# Altium PCB Main_conection.PcbDoc (part 2 of 2) (continued)
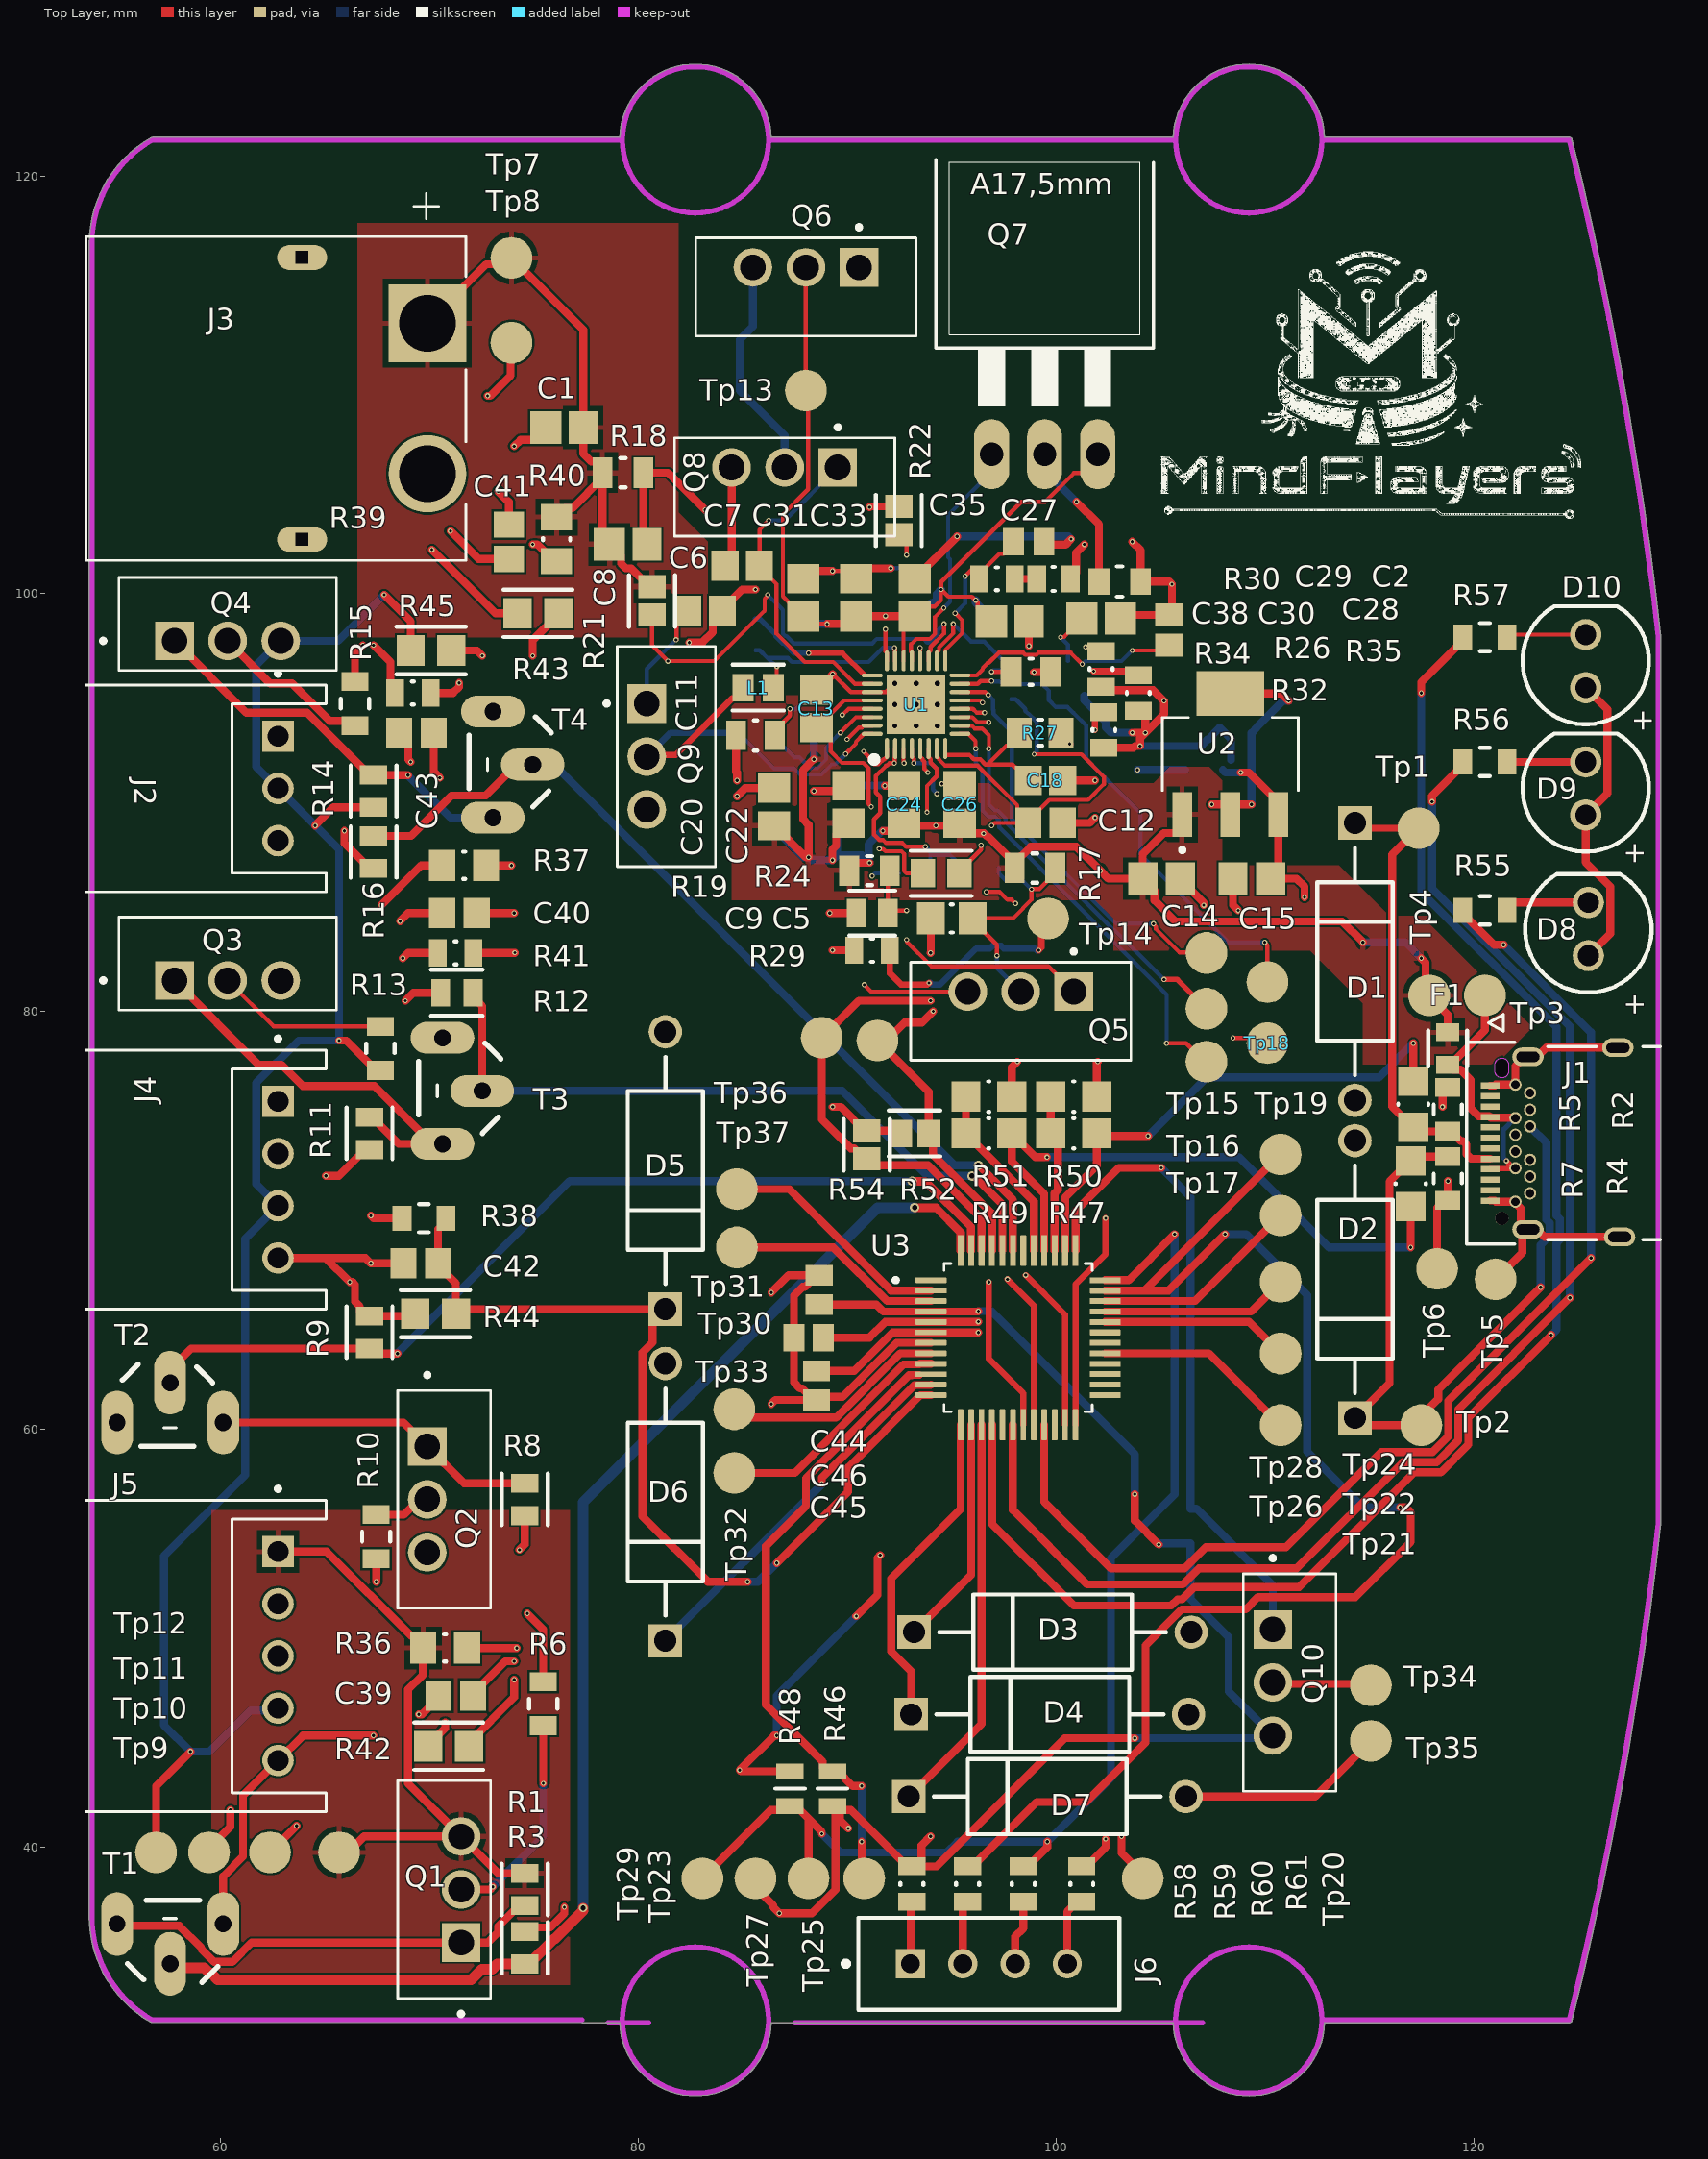
[diagram p0: Top Layer view]
## Nets (pads, with @x,y where several pads share a name; then routed paths per layer and width w, separated by ;. In a path a pad name is that pad's centre, name@x,y a point inside that pad or via, vN(x,y) a via of type N, cw(c..) or ccw(c..) an arc to the next point about the centre after c; other vN are vias at no path point) (continued)
  Bottom Layer w0.2: v1(89.281,101.092) 90.054,101.092 C34.1@90.551,100.595 ; v1(91.186,86.487) 91.313,86.614 C10.2@92.468,86.614 ; v1(92.075,101.219) 92.594,101.219 C36.1@93.218,100.595 ; v1(94.518,90.902) 95.291,90.902 C25.1@95.377,90.816
  Bottom Layer w0.381: v1(84.709,90.297) 85.101,90.689 C19.1@86.36,90.689 ; v1(86.614,45.339) 86.614,47.244 v1(90.424,51.054) ; C32.1@87.884,100.722 88.254,101.092 v1(89.281,101.092) ; C21.1@90.043,90.816 91.775,90.816 v1(91.786,90.805) 92.699,90.805 C23.1@92.71,90.816 ; v1(95.25,102.743) 100.584,102.743 v1(100.711,102.616) ; v1(98.69,97.498) 98.69,98.552 C37.1@98.817,98.679 ; v1(103.886,91.567) C16.1@106.172,91.567 ; v1(109.347,89.916) 109.347,93.334 C17.1@109.612,93.599 ; C17.1@109.612,93.624 110.857,94.869 v1(111.125,94.869)
Green_LED: R56.1 U3.18 | length 67.8
  Top Layer w0.381: U3.18@97.921,60.219 97.921,56.13 101.473,52.578 106.061,52.578 106.823,53.34 111.506,53.34 116.589,58.423 118.21,58.423 119.25,59.463 119.25,60.957 v1(124.587,66.294) ; v1(117.991,90.043) 117.991,90.316 119.473,91.798 R56.1@119.473,91.948
  Bottom Layer w0.381: v1(117.991,90.043) 117.991,85.892 124.587,79.295 124.587,70.277 124.589,70.275 124.589,68.861 124.587,68.859 v1(124.587,66.294)
HIDRV1: Q5.1 U1.31 | length 21.4
  Top Layer w0.2: v1(89.98,93.027) 90.543,93.59 90.688,93.59 90.786,93.688 U1.31@91.186,93.688 ; v1(92.837,83.439) 92.847,83.429 92.847,83.336 94.014,82.169 99.619,82.169 Q5.1@100.838,80.95
  Layer 2 w0.2: v1(89.98,93.027) 90.349,92.658 90.349,89.39 91.525,88.214 91.702,88.214 91.951,87.965 91.951,85.121 92.837,84.235 v1(92.837,83.439)
HIDRV2: Q6.1 U1.24 | length 19.8
  Top Layer w0.2: v1(91.821,98.298) 91.821,97.236 91.886,97.171 U1.24@91.886,96.788
  Layer 2 w0.2: Q6.1@90.551,115.621 90.551,110.036 91.484,109.103 91.484,103.964 91.396,103.876 91.396,101.297 92.246,100.447 92.246,98.723 v1(91.821,98.298)
IADPT: C18.2 R27.2 U1.8 | length 7
  Top Layer w0.2: U1.8@94.686,92.588 94.686,92.288 95.833,92.288 96.052,92.069 96.36,92.069 96.609,91.821 96.704,91.821 ; R27.2@98.228,93.345 98.228,93.22 97.728,92.72 97.603,92.72 96.704,91.821 ; C18.2@98.657,91.059 98.657,91.109 98.082,91.684 98.032,91.684 97.895,91.821 96.704,91.821
ILIM_HIZ: R29.2 Tp14.1 U1.6 U3.23 | length 47.4
  Top Layer w0.2: v1(93.81,89.535) 93.81,90.796 94.278,91.264 94.278,91.616 93.984,91.91 93.984,92.079 93.886,92.178 U1.6@93.886,92.588
  Top Layer w0.3: R29.2@92.036,82.931 92.036,81.827 92.568,81.295 93.831,81.295 v1(93.905,81.368) ; v1(98.533,67.381) 100.421,65.493 U3.23@100.421,60.219 ; v1(99.154,82.931) 99.284,83.061 99.284,84.13 Tp14.1@99.609,84.455
  Layer 2 w0.3: v1(93.81,89.535) 93.218,88.943 93.218,85.127 93.312,85.033 93.312,84.639 93.218,84.545 93.218,83.73 93.312,83.636 93.312,83.242 93.218,83.148 93.218,82.042 93.892,81.368 v1(93.905,81.368) ; v1(98.533,67.381) 99.081,67.929 99.081,74.594 99.475,74.988 99.475,82.61 v1(99.154,82.931)
  Bottom Layer w0.3: v1(93.905,81.368) 93.98,81.368 94.068,81.28 94.424,81.28 96.158,83.014 96.82,83.014 96.958,83.152 97.352,83.152 97.49,83.014 98.977,83.014 99.06,82.931 v1(99.154,82.931)
LODRV1: C6.2 Q9.1 U1.29 | length 16.5
  Top Layer w0.2: v1(81.788,97.79) 81.81,97.812 81.81,98.637 C6.2@82.36,99.187 ; v1(89.754,94.195) 89.767,94.195 90.06,94.488 U1.29@91.186,94.488
  Layer 1 w0.2: Q9.1@80.391,94.742 86.902,94.742 87.073,94.913 87.425,94.913 87.596,94.742 89.207,94.742 v1(89.754,94.195)
  Bottom Layer w0.2: Q9.1@80.391,94.742 80.391,96.393 v1(81.788,97.79)
LODRV2: C7.1 Q8.1 U1.26 | length 15.9
  Top Layer w0.2: v1(86.233,103.505) 85.788,103.06 85.788,101.271 86.606,100.453 86.606,98.086 87.962,96.73 89.32,96.73 90.362,95.688 U1.26@91.186,95.688
  Bottom Layer w0.2: v1(86.233,103.505) 86.995,103.505 Q8.1@89.535,106.045
NetC2_1: C2.1 C8.2 Q7.D R18.2 R22.2 | length 35.3
  Top Layer w0.381: C8.2@80.402,102.362 80.223,102.541 R18.2@80.223,105.791 81.407,105.791 v1(83.185,104.013) ; v1(91.059,104.14) 91.1,104.181 R22.2@92.456,104.181 ; v1(100.965,104.394) 102.038,103.321 C2.1@102.038,100.584
  Layer 1 w0.381: v1(83.185,104.013) 86.012,104.013 86.139,104.14 v1(91.059,104.14) 95.567,108.648 98.311,108.648 99.441,107.518 Q7.D@99.441,106.68
  Bottom Layer w0.381: Q7.D@99.441,106.68 99.441,105.918 v1(100.965,104.394)
NetC5_2: C5.2 Q5.2 R17.1 R20.2 | length 12
  Top Layer w0.2: v1(97.155,82.677) 97.155,83.196 95.996,84.355 C5.2@95.996,84.455 97.928,84.455 98.407,84.935 98.407,84.953 98.806,85.351 v1(98.806,85.852) 98.816,85.862 99.193,85.862 99.949,86.618 R17.1@99.949,86.868
  Bottom Layer w0.2: v1(97.155,82.677) 97.155,82.093 Q5.2@98.298,80.95 ; R20.2@97.241,86.868 97.241,86.618 97.616,86.243 98.415,86.243 v1(98.806,85.852)
NetC7_2: C7.2 Q8.3 | length 4.8
  Top Layer w0.381: C7.2@84.138,101.346 84.455,101.663 Q8.3@84.455,106.045
NetC10_1: C10.1 R20.1 U1.2 | length 10.7
  Top Layer w0.2: U1.2@92.286,92.588 92.286,92.188 92.257,92.159 92.257,91.901 v1(92.247,91.891) 92.238,91.881 92.006,91.881 91.892,91.768 91.851,91.768 91.361,91.277 91.361,90.488 91.567,90.282 91.567,89.494 91.269,89.196 91.269,88.47 91.523,88.216 91.7,88.216 91.851,88.064 92.622,88.064 92.803,87.884 v1(93.726,87.884)
  Bottom Layer w0.2: v1(93.726,87.884) 94.117,87.493 94.916,87.493 95.291,87.118 R20.1@95.291,86.868 ; C10.1@93.968,86.614 93.968,87.628
NetC11_1: C11.1 R23.1 U1.1 | length 9.7
  Top Layer w0.2: C11.1@86.523,93.218 86.523,93.443 87.249,94.169 v1(87.249,94.488) ; v1(90.774,92.453) 90.774,92.44 91.066,92.148 91.066,92.03 91.266,91.83 91.487,91.83 91.727,92.069 91.767,92.069 91.886,92.188 U1.1@91.886,92.588
  Layer 2 w0.2: v1(87.249,94.488) 87.967,93.77 89.838,93.77 90.764,92.844 90.764,92.463 v1(90.774,92.453)
  Bottom Layer w0.2: v1(87.249,94.488) 87.263,94.488 87.286,94.465 87.517,94.465 87.811,94.758 87.811,94.862 88.288,95.34 R23.1@88.392,95.34
NetC29_2: C29.2 R30.1 | length 1.1
  Top Layer w0.381: R30.1@98.005,100.711 C29.2@99.063,100.711
NetC30_2: C30.2 R28.1 | length 2.7
  Top Layer w0.2: v1(100.203,97.917) 100.213,97.927 100.37,97.927 101.224,98.781 C30.2@101.224,98.806
  Bottom Layer w0.2: v1(100.203,97.917) 100.564,97.556 R28.1@100.564,96.774
NetD8_2: D8.2 R55.2 | length 4.1
  Top Layer w0.381: R55.2@121.573,84.836 121.573,84.957 121.833,85.217 D8.2@125.476,85.217
NetD9_2: D9.2 R56.2 | length 3.8
  Top Layer w0.381: R56.2@121.573,91.948 D9.2@125.349,91.948
NetD10_2: D10.2 R57.2 | length 3.8
  Top Layer w0.2: R57.2@121.573,97.917 121.7,98.044 D10.2@125.349,98.044
NetF1_2: F1.2 J1.A4 J1.A9 J1.B4 J1.B9 Tp3.1 | length 13.2
  Top Layer w0.254: J1.A4@120.772,72.448 120.794,72.47 J1.B9@121.798,72.47 ; v1(121.547,72.856) 121.667,72.736 121.667,72.628 121.798,72.498 J1.B9@121.982,72.498
  Top Layer w0.381: Tp3.1@120.523,80.772 120.523,79.11 118.87,77.457 F1.2@118.745,77.457 118.98,77.222 119.347,77.222 119.842,76.727 119.842,75.366 120.218,74.989 120.731,74.989 J1.A9@120.772,74.948 120.797,74.923 121.957,74.923 J1.B4@121.982,74.898
  Bottom Layer w0.254: v1(121.547,72.856) 121.405,72.998 121.405,74.337 121.966,74.898 J1.B4@121.982,74.898
NetJ6_1: J6.1 R58.1 | length 3
  Top Layer w0.381: J6.1@93.024,34.417 93.024,37.31 R58.1@93.091,37.377
NetJ6_2: J6.2 R59.1 | length 3.1
  Top Layer w0.381: J6.2@95.524,34.417 95.524,37.143 R59.1@95.758,37.377
NetJ6_3: J6.3 R60.1 | length 3.1
  Top Layer w0.381: J6.3@98.024,34.417 98.024,35.717 98.425,36.118 R60.1@98.425,37.377
NetJ6_4: J6.4 R61.2 | length 3.4
  Top Layer w0.381: J6.4@100.524,34.417 100.524,36.907 100.994,37.377 R61.2@101.219,37.377
NetQ1_2: Q1.2 R6.2 | length 10.3
  Top Layer w0.381: Q1.2@71.501,37.973 72.898,37.973 v1(73.025,38.1) ; v1(75.438,43.053) R6.2@75.438,45.813
  Bottom Layer w0.381: v1(73.025,38.1) 75.438,40.513 v1(75.438,43.053)
NetQ2_2: Q2.2 R10.2 | length 2.7
  Top Layer w0.381: R10.2@67.437,55.914 68.757,55.914 69.485,56.642 Q2.2@69.881,56.642
NetQ3_2: Q3.2 R13.2 | length 8.2
  Top Layer w0.2: Q3.2@60.325,81.486 62.529,79.282 R13.2@67.635,79.282
NetQ4_2: Q4.2 R15.2 | length 7.8
  Top Layer w0.381: Q4.2@60.325,97.742 62.36,95.707 63.411,95.707 65.199,93.918 66.195,93.918 R15.2@66.421,93.692
NetQ10_2: Q10.2 Tp34.1 | length 4.8
  Top Layer w0.381: Q10.2@110.363,47.879 110.426,47.816 114.998,47.816 Tp34.1@115.062,47.752
NetR33_1: R33.1 Tp19.1 U1.15 | length 24.1
  Top Layer w0.2: U1.15@95.386,95.688 96.238,95.688 96.376,95.826 96.542,95.826 96.891,95.826 v1(96.901,95.816) ; v1(109.982,83.312) 109.982,83.298 110.109,83.171 Tp19.1@110.109,81.407
  Bottom Layer w0.2: v1(96.901,95.816) 96.911,95.806 97.293,95.806 97.426,95.673 99.321,95.673 99.646,95.348 R33.1@99.646,95.123 99.646,94.898 99.971,94.573 100.538,94.573 100.838,94.273 100.849,94.273 101.429,93.693 101.429,92.085 104.037,89.477 104.037,87.513 108.238,83.312 v1(109.982,83.312)
NetTp16_1: Tp16.1 U1.10 | length 19.5
  Top Layer w0.2: U1.10@95.386,93.688 95.953,93.688 96.09,93.551 96.441,93.551 96.774,93.218 v1(96.774,92.583)
  Top Layer w0.26: v1(105.156,81.534) 105.791,81.534 Tp16.1@107.188,80.137
  Bottom Layer w0.2: v1(96.774,92.583) 96.774,89.916 97.063,89.627 97.2,89.627 97.574,89.252 97.574,89.073 102.746,83.901 102.789,83.901 v1(105.156,81.534)
NetTp17_1: Tp17.1 U1.9 | length 21.6
  Top Layer w0.2: U1.9@95.386,93.288 95.786,93.288 96.129,92.945 96.129,92.593 v1(96.139,92.583) ; v1(105.283,78.486) 106.219,78.486 107.108,77.597 Tp17.1@107.188,77.597
  Bottom Layer w0.2: v1(96.139,92.583) 96.139,91.864 96.472,91.531 96.472,89.617 96.764,89.325 97.077,89.325 97.274,89.128 97.274,88.815 105.283,80.806 v1(105.283,78.486)
OSC32_IN: Tp31.1 U3.2 | length 11.3
  Top Layer w0.381: Tp31.1@84.709,71.501 87.217,71.501 92.079,66.639 U3.2@94.001,66.639
OSC32_OUT: Tp30.1 U3.3 | length 10.4
  Top Layer w0.381: Tp30.1@84.709,68.707 89.328,68.707 91.896,66.139 U3.3@94.001,66.139
OSC_IN: Tp33.1 U3.8 | length 10.9
  Top Layer w0.381: Tp33.1@84.582,60.96 85.02,60.96 85.419,60.561 89.455,60.561 92.533,63.639 U3.8@94.001,63.639
OSC_OUT: Tp32.1 U3.9 | length 11.6
  Top Layer w0.381: Tp32.1@84.582,57.912 87.489,57.912 92.685,63.108 93.447,63.108 93.478,63.139 U3.9@94.001,63.139
Red_LED: R55.1 U3.21 | length 57.8
  Top Layer w0.381: U3.21@99.421,60.219 99.421,56.535 102.616,53.34 106.141,53.34 107.157,54.356 110.998,54.356 115.548,58.906 118.01,58.906 118.767,59.663 118.767,61.363 v1(125.603,68.199) ; R55.1@119.473,84.836 119.473,84.686 120.967,83.192 v1(121.419,83.192)
  Bottom Layer w0.381: v1(121.419,83.192) 125.603,79.009 v1(125.603,68.199)
REGN: C13.2 R24.1 U1.28 | length 13.9
  Top Layer w0.2: C13.2@88.519,93.588 C13.2@88.544,93.588 ; v1(91.142,89.797) 91.142,89.81 91.02,89.932 91.02,91.65 90.765,91.904 89.74,91.904 89.194,92.45 89.194,92.938 C13.2@88.544,93.588 ; U1.28@91.186,94.888 89.844,94.888 C13.2@88.544,93.588 ; v1(91.526,87.789) 91.535,87.78 91.71,87.78 91.822,87.668 92.593,87.668 92.711,87.55 92.711,86.731 92.828,86.614 R24.1@93.612,86.614
  Layer 1 w0.2: v1(91.142,89.797) 91.142,88.173 v1(91.526,87.789)
RESET: R46.1 Tp23.1 U3.10 | length 30
  Top Layer w0.381: v1(90.678,40.259) 90.678,38.629 Tp23.1@90.805,38.502 ; v1(90.678,42.926) 90.255,42.926 89.556,43.626 R46.1@89.281,43.626 89.006,43.626 88.817,43.815 88.817,44.089 86.098,46.808 86.098,54.419 88.011,56.331 88.011,57.658 92.942,62.589 93.082,62.589 93.097,62.604 U3.10@93.447,62.604
  Bottom Layer w0.381: v1(90.678,40.259) v1(90.678,42.926)
SRN: R21.1 U1.19 | length 21.7
  Top Layer w0.2: R21.1@80.645,98.977 80.645,97.536 v1(81.407,96.774) 83.623,96.774 86.036,99.187 86.036,99.752 86.171,99.887 86.171,99.939 v1(86.181,99.949) ; U1.19@93.886,96.788 93.886,97.188 93.984,97.286 93.984,97.452 94.62,98.087 v1(94.62,98.552)
  Bottom Layer w0.2: v1(86.181,99.949) 86.907,99.222 86.907,98.088 87.025,97.97 87.083,97.97 87.435,97.619 91.185,97.619 91.4,97.834 93.648,97.834 93.819,97.663 93.896,97.663 94.331,98.098 94.331,98.25 94.62,98.538 v1(94.62,98.552)
SRP: R22.1 U1.20 | length 6.5
  Top Layer w0.2: R22.1@92.456,102.829 92.837,102.448 v1(92.837,101.854) ; v1(93.472,97.409) 93.486,97.395 U1.20@93.486,96.788
  Layer 2 w0.2: v1(92.837,101.854) 92.837,98.933 93.472,98.298 v1(93.472,97.409)
SW1: C3.1 L1.1 Q5.3 Q9.2 U1.32 | length 35.6
  Top Layer w0.2: v1(89.916,92.329) 90.405,92.818 90.405,92.907 90.786,93.288 U1.32@91.186,93.288 ; v1(90.805,81.28) 91.142,80.943 95.751,80.943 Q5.3@95.758,80.95
  Top Layer w0.3: Q9.2@80.391,92.202 80.46,92.271 81.766,92.271 84.495,95 84.646,95 84.999,95.353 L1.1@84.999,95.504
  Layer 2 w0.2: v1(89.916,92.329) 89.916,87.249 90.761,86.404 90.761,86.311 90.805,86.267 v1(90.805,81.28)
  Bottom Layer w0.2: C3.1@84.975,93.345 84.975,93.145 86.479,91.641 87.44,91.641 87.732,91.348 88.765,91.348 89.251,91.834 89.421,91.834 v1(89.916,92.329)
  Bottom Layer w0.3: Q9.2@80.391,92.202 81.534,93.345 C3.1@84.975,93.345
SW2: L1.2 Q6.3 Q8.2 S.1 U1.23 | length 29.9
  Top Layer w0.2: L1.2@86.451,95.504 86.614,95.667 v1(86.614,96.52) ; v1(92.249,97.409) 92.249,97.395 92.286,97.358 U1.23@92.286,96.788
  Layer 2 w0.2: v1(86.614,96.52) 86.995,96.901 Q8.2@86.995,106.045
  Bottom Layer w0.2: S.1@85.598,97.294 85.798,97.294 S.1@86.173,96.919 ; v1(86.614,96.52) 86.604,96.53 86.562,96.53 S.1@86.173,96.919 ; v1(92.249,97.409) 91.694,97.409 91.015,96.73 87.338,96.73 87.149,96.919 S.1@86.173,96.919
  Bottom Layer w0.381: Q6.3@85.471,115.621 85.471,112.793 84.836,112.158 84.836,109.728 86.995,107.569 Q8.2@86.995,106.045
SWCLK/BOOT0: R48.2 R60.2 Tp25.1 Tp29.1 U3.36 | length 59.6
  Top Layer w0.381: Tp29.1@83.058,38.502 86.339,41.783 87.06,41.783 R48.2@87.249,41.972 87.524,41.972 88.773,40.723 v1(88.773,40.64) ; Tp25.1@88.138,38.502 88.138,41.358 ; R60.2@98.425,39.077 98.65,39.077 99.568,39.995 v1(99.568,40.259) ; U3.36@102.341,67.139 103.461,67.139 v1(105.664,69.342)
  Bottom Layer w0.381: v1(88.773,40.64) 89.67,39.743 94.758,39.743 95.274,40.259 v1(99.568,40.259) 102.616,43.307 102.616,53.835 105.664,56.883 v1(105.664,69.342)
SWDIO: R59.2 Tp28.1 U3.35 | length 66.7
  Top Layer w0.381: R59.2@95.758,39.077 95.983,39.077 99.061,42.155 101.431,42.155 104.275,44.998 104.275,49.651 106.008,51.384 109.07,51.384 109.654,51.968 114.325,51.968 116.967,54.61 116.967,56.038 116.744,56.261 v1(116.459,56.261) ; U3.35@102.341,66.639 104.231,66.639 ; v1(108.077,69.342) 105.374,66.639 104.231,66.639 ; Tp28.1@110.744,73.152 104.231,66.639
  Bottom Layer w0.381: v1(108.077,69.342) 109.093,69.342 112.014,66.421 112.014,58.928 114.681,56.261 v1(116.459,56.261)
UCPD2_CC1: R2.1 R47.2 U3.38 | length 25.1
  Top Layer w0.381: U3.38@100.421,68.559 100.421,71.084 101.938,72.601 R47.2@101.938,74.168 102.065,74.041 v1(104.394,74.041) ; R2.1@117.094,76.665 v1(117.094,78.486)
  Bottom Layer w0.381: v1(104.394,74.041) 107.196,76.843 115.451,76.843 v1(117.094,78.486)
UCPD2_CC2: R4.1 R49.2 U3.40 | length 29.6
  Top Layer w0.381: R49.2@97.874,74.148 98.997,73.025 v1(99.556,73.025) ; R49.2@97.874,74.168 97.874,72.814 99.421,71.267 U3.40@99.421,68.559 ; v1(116.967,68.707) R4.1@116.967,70.655
  Bottom Layer w0.381: v1(99.556,73.025) 99.563,73.033 108.728,73.033 113.054,68.707 v1(116.967,68.707)
UCPD2_DBCC1: R47.1 R50.2 U3.39 | length 7.6
  Top Layer w0.381: R50.2@99.738,75.925 R47.1@99.738,74.168 100.071,73.835 100.071,71.451 99.921,71.301 U3.39@99.921,68.559
UCPD2_DBCC2: R49.1 R51.2 U3.41 | length 8.7
  Top Layer w0.381: R49.1@95.674,74.148 98.921,70.901 U3.41@98.921,68.559 ; R49.1@95.674,74.168 R51.2@95.674,75.925
USART1_CTS: Tp24.1 U3.33 | length 9
  Top Layer w0.381: U3.33@102.341,65.639 109.327,65.639 Tp24.1@110.744,67.056
USART1_RTS: Tp26.1 U3.34 | length 10.1
  Top Layer w0.381: U3.34@102.341,66.139 106.652,66.139 Tp26.1@110.744,70.231
USART1_RX: Tp22.1 U3.32 | length 9
  Top Layer w0.381: U3.32@102.341,65.139 109.232,65.139 Tp22.1@110.744,63.627
USART1_TX: Tp21.1 U3.29 | length 9.8
  Top Layer w0.381: U3.29@102.341,63.639 107.303,63.639 Tp21.1@110.744,60.198
VBUS: C14.2 C19.2 C20.2 C21.2 C22.2 C23.2 C24.2 C25.2 C26.2 F1.1 R17.2 R19.2 R23.2 Tp4.1 U2.1 | length 61.8
  Top Layer w0.381: C20.2@86.487,88.889 86.512,88.889 88.025,87.376 v1(88.138,87.376) 88.138,88.94 87.876,89.201 87.876,91.559 v1(88.392,92.075) ; v1(89.281,87.249) 89.281,87.761 89.459,87.938 89.459,88.457 90.018,89.016 C22.2@90.043,89.016 ; R19.2@90.084,86.741 90.084,86.837 90.369,87.122 v1(91.059,87.122) ; v1(91.694,88.646) 92.315,88.646 92.685,89.016 92.801,88.9 v1(94.234,88.9) 95.261,88.9 C26.2@95.377,89.016 95.867,88.527 96.512,88.527 96.516,88.523 v1(96.52,88.519) ; v1@96.52,88.527 96.545,88.527 96.687,88.384 96.733,88.384 R17.2@97.999,87.118 ; R17.2@97.999,86.868 R17.2@97.999,87.118 ; U2.1@106.031,89.429 106.031,88.829 105.746,88.544 105.146,88.544 104.14,87.538 C14.2@104.14,86.36 ; v1(114.681,83.312) 113.68,84.313 105.7,84.313 104.7,85.313 104.7,85.8 C14.2@104.14,86.36 ; v1(117.475,82.55) 117.681,82.344 117.681,80.905 118.745,79.841 F1.1@118.745,79.007 ; R17.2@97.999,87.118 98.766,87.885 100.964,87.885 v1(102.108,86.741) 102.489,86.36 C14.2@104.14,86.36
  Bottom Layer w0.381: C19.2@86.36,88.889 86.385,88.889 87.898,87.376 v1(88.138,87.376) 88.265,87.249 v1(89.281,87.249) 89.504,87.472 ; v1(88.392,92.075) R23.2@88.392,93.588 ; C21.2@90.043,89.016 89.504,88.477 89.504,87.472 ; C23.2@92.685,89.016 92.315,88.646 91.653,88.646 91.01,88.003 91.01,87.171 v1(91.059,87.122) 90.709,87.472 89.504,87.472 ; v1(94.234,88.9) 95.261,88.9 C25.2@95.377,89.016 ; v1(114.681,83.312) 116.713,83.312 v1(117.475,82.55)
VDDA: C12.2 R24.2 R25.2 U1.7 | length 23
  Top Layer w0.2: U1.7@94.286,92.588 94.286,92.188 94.384,92.09 94.384,92.063 94.68,91.768 96.236,91.768 98.132,89.871 98.132,89.552 C12.2@98.657,89.027 97.042,89.027 96.915,88.9 v1(96.901,88.9) ; R24.2@95.364,86.614 95.364,86.718 96.393,87.747 v1(96.393,87.961) ; C12.2@98.657,89.127 99.662,90.132 101.528,90.132 102.279,90.883 102.279,91.235 101.2,92.314 v1(98.938,92.314)
  Layer 1 w0.2: v1(96.393,87.961) 96.407,87.961 96.539,88.094 96.696,88.094 96.945,88.343 96.945,88.842 96.901,88.886 v1(96.901,88.9)
  Bottom Layer w0.2: R25.2@97.831,94.947 98.056,94.947 98.513,94.49 98.513,94.389 98.636,94.267 98.658,94.267 99.06,93.864 99.06,92.446 98.938,92.324 v1(98.938,92.314)
VSYS: C31.2 C32.2 C33.2 C34.2 C35.2 C36.2 C37.2 C38.2 Q6.2 Q7.S Tp13.1 U1.22 | length 47.5
  Top Layer w0.2: Q6.2@88.011,115.621 Tp13.1@88.011,109.728 88.122,109.617 88.122,105 86.907,103.785 86.907,99.874 87.859,98.922 C31.2@87.884,98.922 88.254,98.552 v1(89.027,98.552) ; U1.22@92.686,96.788 92.686,98.365 C35.2@93.23,98.91 ; C35.2@93.218,98.922 93.679,99.383 94.176,99.383 94.478,99.685 94.478,100.193 v1(94.488,100.203) ; C38.2@96.89,98.679 96.24,99.329 96.24,99.58 96.139,99.681 v1(96.139,99.695) 96.125,99.695 95.961,99.859 94.832,99.859 v1(94.488,100.203) ; Q7.S@101.981,106.68 101.981,106.455 101.299,105.773 100.843,105.773 99.473,104.403 98.333,104.403 94.488,100.558 v1(94.488,100.203)
  Top Layer w0.381: v1(89.027,98.552) 90.054,98.552 C33.2@90.424,98.922 91.81,98.922 v1(91.821,98.933) 91.832,98.922 C35.2@93.218,98.922
  Bottom Layer w0.2: C32.2@87.884,98.922 C32.2@87.909,98.922
  Bottom Layer w0.381: C32.2@87.909,98.922 88.279,98.552 v1(89.027,98.552) ; C34.2@90.551,98.795 90.689,98.933 v1(91.821,98.933) ; C36.2@93.218,98.795 93.243,98.795 94.002,99.554 94.113,99.554 94.285,99.726 94.285,100 v1(94.488,100.203) ; v1(96.139,99.695) 96.139,99.582 97.017,98.704 C37.2@97.017,98.679
pads on no net: J1. J1.A2 J1.A3 J1.A6 J1.A7 J1.A8 J1.A10 J1.A11 J1.B2 J1.B3 J1.B6 J1.B7 J1.B8 J1.B10 J1.B11 J3.SH1 J3.SH2 U3.1 U3.17 U3.22 U3.25 U3.26 U3.27 U3.28 U3.30 U3.31 U3.42

## Polygon pours and split planes (outlines as drawn)
3.3V on Layer 2 "3.3V_L03_P007" (solid, pour order 7): 127.53,100.527 126.768,99.765 82.064,99.765 82.064,38.043 86.382,33.725 122.958,33.725 122.958,35.503 125.752,38.297 125.752,59.76 128.292,62.3 128.292,99.765
CELL_2S on Layer 2 "CELL_2S_L03_P002" (solid, pour order 2): 54.61,95.885 70.739,95.885 70.866,96.012 72.898,93.98 72.898,33.02 57.658,33.02 54.737,35.941 54.737,95.758
GND on Layer 1 "GND_L02_P006" (solid, pour order 6): 55.118,110.109 125.857,110.109 127,108.966 127,100.33 128.397,98.933 128.397,53.975 128.27,53.848 128.27,51.562 127.127,50.419 127.127,44.704 126.238,43.815 126.238,39.878 121.285,34.925 54.229,34.925 54.229,109.982 54.483,110.236
CELL_3S on Layer 1 "CELL_3S_L02_P005" (solid, pour order 5): 68.834,77.978 69.342,77.47 69.342,57.277 72.263,57.277 76.073,53.467 76.073,46.101 70.485,46.101 64.008,39.624 62.239,39.624 59.661,45.993 59.213,77.978
CELL_4S on Top Layer "CELL_4S_L01_P000" (solid, pour order 0): 76.708,56.134 59.563,56.134 59.563,33.401 76.708,33.401
BAT on Top Layer "BAT_L01_P012" (solid, pour order 12): 66.548,117.729 81.915,117.729 81.915,103.886 83.304,102.497 83.304,97.909 66.667,97.909 66.548,97.79
VBUS on Top Layer "VBUS_L01_P009" (solid, pour order 9): 84.455,95.123 90.932,95.123 90.932,91.059 91.059,90.932 104.648,90.932 105.41,91.694 107.315,91.694 107.95,91.059 107.95,86.995 113.538,86.995 115.951,84.582 117.856,84.582 117.856,84.201 122.809,79.248 121.031,77.47 114.681,77.47 114.681,80.391 112.141,82.931 102.743,82.931 102.743,84.455 101.854,85.344 84.455,85.344
VSYS on Bottom Layer "VSYS_L04_P011" (solid, pour order 11): 84.328,118.11 92.71,118.11 92.71,110.236 92.837,110.109 104.902,110.109 104.902,97.917 104.267,97.282 84.201,97.282 84.201,118.11 84.328,118.237
VBUS on Bottom Layer "VBUS_L04_P010" (solid, pour order 10): 84.455,95.885 98.171,95.885 98.171,84.963 84.455,84.963
CELL_1S on Bottom Layer "CELL_1S_L04_P004" (solid, pour order 4): 57.785,101.092 70.231,101.092 70.231,40.767 56.388,40.767 56.388,99.695

## Keep-outs
Keep-Out Layer:
  circle w0.006: c190.006,190.006 r0.003
  circle w0.006: c190.006,190.006 r0.003
  circle w0.006: c190.006,190.006 r0.003
  circle w0.254: c109.221,121.722 r3.5
  circle w0.254: c109.221,31.722 r3.5
  circle w0.254: c82.721,31.722 r3.5
  circle w0.254: c82.721,121.722 r3.5
  circle w0.006: c190.006,190.006 r0.003
  circle w0.006: c190.006,190.006 r0.003
  lines w0.254: 77.291,31.722 56.721,31.722 cw(c59.54,36.698) 53.821,36.698 53.821,116.732 cw(c59.566,116.732) 56.721,121.722 77.291,121.722 79.221,121.722 ; 78.561,31.595 80.491,31.595 ; 79.221,121.722 cw(c82.721,121.722) 86.221,121.722 ; 79.221,121.722 cw(c82.721,121.722) 86.221,121.722 ; 86.221,121.722 105.721,121.722 ; 86.221,121.722 105.721,121.722 ; 105.721,121.722 cw(c109.221,121.722) 112.721,121.722 ; 105.721,121.722 cw(c109.221,121.722) 112.721,121.722 ; 112.721,31.722 cw(c109.221,31.722) 105.721,31.722 ccw(c109.221,31.722) 112.721,31.722 ; 112.721,31.722 124.565,31.722 ; 112.721,31.722 124.565,31.722 ; 112.721,121.722 124.565,121.722 ; 112.721,121.722 124.565,121.722 ; 124.565,31.722 ccw(c-58.279,76.722) 128.821,55.498 ; 124.565,31.722 ccw(c-58.279,76.722) 128.821,55.498 ; 124.565,121.722 cw(c-58.279,76.722) 128.821,97.947 ; 124.565,121.722 cw(c-58.279,76.722) 128.821,97.947 ; 128.821,55.498 128.821,97.947 ; 128.821,55.498 128.821,97.947 ; 79.221,31.722 ccw(c82.721,31.722) 86.221,31.722 cw(c82.721,31.722) 79.221,31.722 ; 87.491,31.595 106.991,31.595 87.491,31.595

## Silkscreen, mask and mechanical layers (free items; w line width, h text height)
Top Overlay:
  drawing of 143 lines, arcs and shapes, not listed
Bottom Overlay:
  text "3V3" at 92.864,35.714 h0.52 r270
  text "SWDIO" at 95.404,35.587 h0.52 r270
  text "SWCLK/BOOT" at 97.69,35.587 h0.52 r270
  text "GND" at 100.103,35.587 h0.52 r270
Mechanical 5:
  circle w0.254: c109.347,31.496 r1.5
  circle w0.254: c123.721,51.722 r1.5
  circle w0.254: c82.721,121.722 r1.5
  circle w0.254: c109.221,121.722 r1.5
  circle w0.254: c123.721,101.722 r1.5
  circle w0.254: c82.677,31.623 r1.5

## Text inside footprints (layer, text, board x,y; h text height)
D8: Top Overlay "+" at 128.143,79.756 h1 r90
D9: Top Overlay "+" at 128.143,86.995 h1 r90
D10: Top Overlay "+" at 128.524,93.345 h1 r90
J1: Mechanical 13 "PCB EDGE" at 128.522,79.368 h1.27 r90; Bottom Component Outline "PTH Slot 1.1 +/- 0.05 X 0.5 +/- 0.05" at 112.935,67.768 h0.5 r90; Bottom Component Outline "NPTH Slot 0.95 +/- 0.05 X 0.65 +/- 0.05" at 114.89,67.768 h0.5 r90; Bottom Component Outline "PTH Drill 0.4 +/- 0.05" at 113.951,67.768 h0.5 r90; Bottom Component Outline "NPTH Drill 0.65 +/- 0.05" at 115.93,67.768 h0.5 r90
J2: Mechanical 13 "PCB Edge" at 53.836,85.261 h0.81 r270
J4: Mechanical 13 "PCB Edge" at 53.836,65.282 h0.81 r270
J5: Mechanical 13 "PCB Edge" at 53.836,41.231 h0.81 r270
Q7: Top Overlay "A17,5mm" at 95.885,119.126 h1.02